# KiCad board mainboard_before_drastic.kicad_pcb (continued)
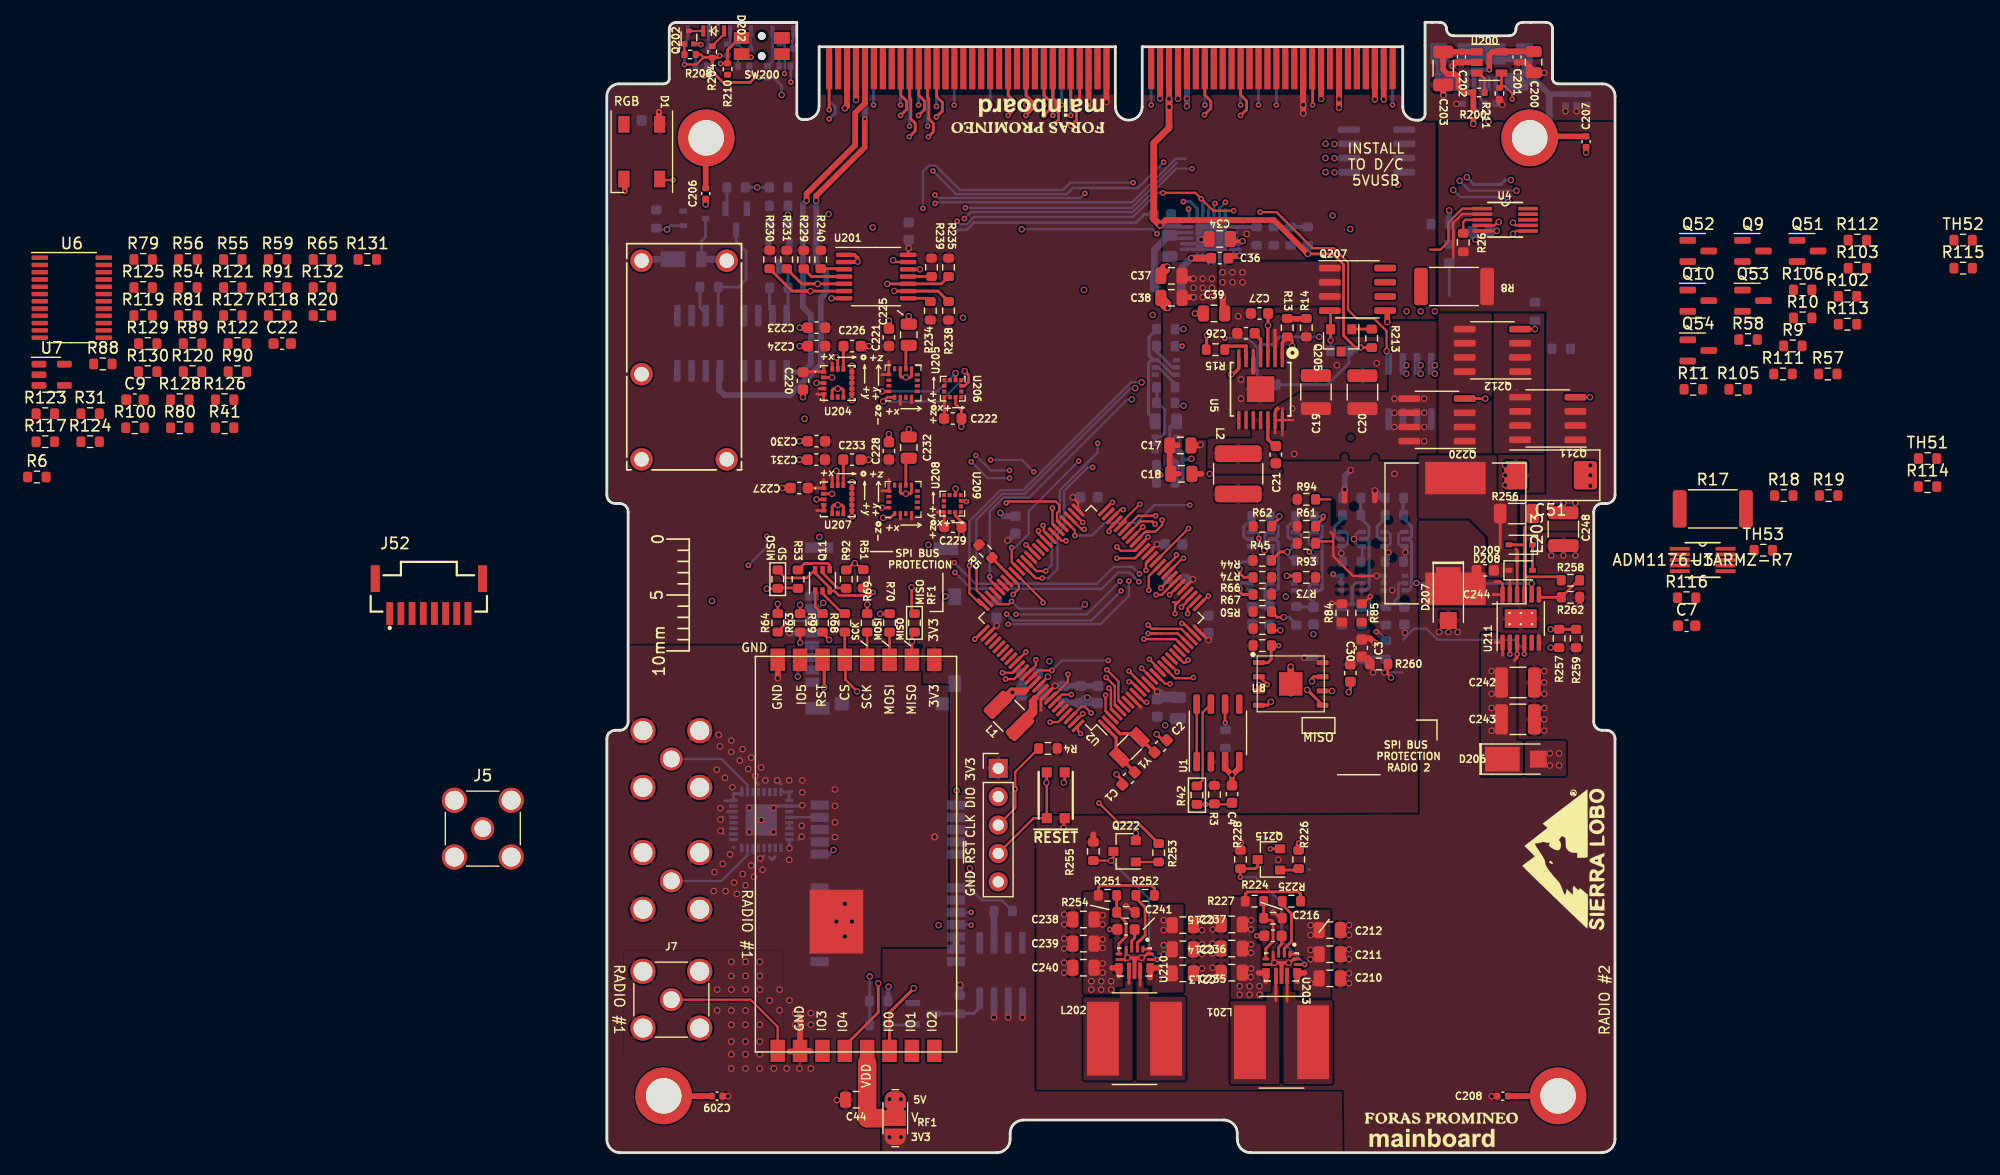
[diagram p0: board, top side]
## Routing (per net, layer and track width the routed paths; a pad name or vN(x,y) marks a point on that pad's centre or on a via; arc(x,y) is an arc through that point) (continued)
5V_USB: length 160.7
  Top w0.203: 7.8,98.27 R208.2 8.4,98.27 8.65,98.02 8.02,97.38 6.96,97.38 ; R204.1 9.92,97.99 10.1,98.17
  Top w0.235: v3(6.94,97.36) 6.96,97.38
  Top w0.254: R204.1 9.9,97.99 ; R204.1 9.42,96.74 10.39,95.77 12.8,95.77 13.25,96.22 v3(13.64,96.22) ; R204.1 9.4,98.02 8.65,98.02 ; R208.2 7.96,98.27 ; R213.2 v1(67.39,72.05) 66.95,72.05 65.89,73.11 65.89,79.48 64.94,80.43 v1(62.69,80.43) ; 9.42,96.96 9.42,97.18
  Top w0.272: 9.42,97.18 R204.1
  Top w0.508: 77.49,94.87 R200.1 ; R200.1 76.6,94.87 76.16,95.31 76.16,96.21 75.85,96.51 75.21,96.51 74.8,96.92 C203.1 ; R200.1 v1(77.49,92.8) v1(77.49,92.06) ; C203.1 74.81,98.51 U200.1 ; C203.1 74.8,97.6 ; v1(49.48,82.97) 49.96,83.45 59.67,83.45 v1(62.69,80.43) ; P1.70 v1(50.28,94.31)
  Top w0.61: v1(50.28,94.31) v1(50.28,93.57) 50.28,91.71 48.91,90.34 48.91,83.54 v1(49.48,82.97)
  In2.Cu w0.203: 30.84,84.47 30.79,84.42 30.79,82.61 v3(30.81,82.59)
  In2.Cu w0.254: 24.91,86.23 29.58,86.23 30.81,85 v3(30.81,82.59) ; 24.91,86.23 21.46,86.23 15.64,92.05 v1(15.64,94.65) ; 24.91,86.23 22.77,86.23
  In2.Cu w0.508: 77.68,90.08 77.68,91.88 v1(77.49,92.06) ; 77.68,90.08 77.55,90.21 76.53,90.21 ; 77.68,90.08 77.68,85 76.99,84.32 v1(75.34,84.32) 70.77,84.32 66.89,80.43 v1(62.69,80.43)
  Bottom w0.203: 13.92,96.22 14.37,96.22 R205.1 ; 13.92,96.22 13.72,96.22 ; 13.92,96.22 v3(13.64,96.22) ; R203.1 v3(10.1,98.17) 10.1,98.17
  Bottom w0.254: 6.96,97.38 R202.1 ; v1(15.64,94.65) 15.64,95.48 14.9,96.21 R205.1 ; 75.34,81.29 v1(75.34,84.32) ; R214.1 64.44,68.72 66.37,70.65 66.37,71.73 67.07,71.73 v1(67.39,72.05) ; C33.2 48.06,83.96 47.32,83.22 32.84,83.22 32.2,82.59 v3(30.81,82.59)
  Bottom w0.279: 51.01,83.02 51.2,82.83 U17.23
  Bottom w0.508: v1(75.34,84.32) 75.36,84.29 75.36,83.1
  Bottom w0.61: 48.9,83.96 48.9,83.63 49.51,83.02 51.08,83.02 ; R34.1 v1(62.69,80.43)
/Power/3V3_EN: length 15.8
  Top w0.279: 55.99,69.63 v1(55.83,69.63)
  Top w0.305: 55.99,69.63 56.52,70.16 U5.7
  In2.Cu w0.203: v1(55.83,69.63) 55.83,65.06 52.86,62.09 v1(52.29,62.09)
  Bottom w0.272: 51.51,62.01 51.51,62.65 51.4,62.76 Q2.6 ; 51.51,62.01 52.21,62.01 v1(52.29,62.09) ; 51.51,62.01 51.51,60.28 51.21,59.98 50.78,59.98
GND: length 164.1
  Top w0.203: v3(12.89,98.02) 12.34,98.02 SW200.2 ; 39.21,42.33 U2.90 38.61,41.75 v1(39.45,42.58) ; v3(50.33,49.93) 51.2,50.8 U2.31 ; U2.76 33.64,46.68 v3(32.91,45.95) ; U2.62 38.25,53.63 v3(37.48,54.39) ; U2.11 47.99,41.73 ; U2.11 48.03,41.75 v3(46.69,43.09) ; U2.11 47.12,42.65 ; v3(48.21,52.11) 48.21,52.74 U2.38 ; U4.4 79.39,82.98 79.7,83.29 v1(79.77,83.29) ; U2.50 45.17,58.19 v3(45.22,58.19)
  Top w0.235: 17.22,9.06 17.3,9.14 17.3,9.79 17.3,9.13 U23.2 ; 40.85,29.83 v1(40.85,29.06) ; SW1.B 40.95,33.19 ; 18.17,9.11 18.22,9.06 18.24,9.06
  Top w0.25: SW200.2 11.85,98.1
  Top w0.254: 8.33,99.19 8.3,99.22 Q202.2 ; 58.05,19.41 v3(58.12,19.41) C216.1 ; 21.91,67.23 v1(21.91,67.34) U204.9 U204.13 21.91,70.41 v1(21.92,70.41) ; 20.65,60.62 U207.15 20.65,60.87 v1(20.53,61) ; U208.9 27.24,59.08 27.13,58.97 v1(26.75,58.97) 26.37,58.97 26.24,59.09 U208.11 ; v1(47.83,17.44) v1(46.56,17.44) 46.4,17.28 45.8,17.28 ; U210.4 46.45,17.55 ; 46.97,17.44 47.2,17.22 ; 47.2,17.22 47.42,17.44 ; 47.2,17.22 U210.10 ; 47.96,17.44 48.3,17.78 48.6,17.78 ; C241.1 v3(44.97,19.98) ; 46.56,22.07 47.26,21.37 ; P1.67 49.48,94.43 ; v1(60.98,16.99) 60.56,16.99 60.34,16.77 ; v1(60.98,16.99) 61.1,16.99 61.45,17.34 U203.15 ; v1(60.98,16.99) v1(59.71,16.99) ; 31.71,66.08 31.71,66.45 31.19,66.97 U206.9 ; U209.9 31.15,57.03 31.71,56.46 31.71,55.97 ; v1(59.71,16.99) 60.12,16.99 60.34,16.77 ; v1(59.71,16.99) 59.55,16.84 U203.6 ; v1(59.71,16.99) 59.59,17.11 U203.4 ; v1(59.71,16.99) 59.96,16.99 ; 60.34,16.77 U203.10 ; v3(51.42,47.36) 51.59,47.36 U2.24 ; U207.8 21.15,57.81 21.01,57.95 v1(20.65,57.95) 20.29,57.95 20.15,57.81 U207.6 ; R262.2 v1(87.01,48.93) ; U204.15 20.65,71.03 v1(20.53,71.16) ; v1(21.92,60) 21.91,60 U207.9 v1(21.91,56.94) ; 60.4,20.8 59.7,21.5 v3(59.58,21.5) ; 27.24,70.15 27.24,69.5 27.13,69.38 v1(26.75,69.38) 26.37,69.38 26.24,69.5 26.24,70.15 ; U204.6 20.15,68.22 20.29,68.36 v1(20.65,68.36) 21.01,68.36 21.15,68.22 U204.8
  Top w0.272: v1(45.58,33.85) 46.1,33.33 46.1,32.93 ; v1(49.18,37.45) 49.7,36.92 50.09,36.92 ; U201.7 v1(20.1,76.45)
  Top w0.279: 66.5,42.13 66.5,41.36 v1(66.34,41.21) ; v1(59.39,40.35) 59.08,40.04 58.3,40.04 ; 20.4,28.24 v1(20.4,28.23)
  Top w0.338: U201.1 22.13,80.35 22.43,80.05 v1(22.43,79.73) 22.4,79.7 U201.2 22.02,79.7
  Top w0.406: 57.82,69.84 U5.5
  Top w0.508: C207.1 87.58,89.51 ; C227.2 v1(15.7,59.47) ; C232.2 v1(27,64.74) ; 31.7,65.68 31.7,64.96 ; U23.2 18.17,9.11 ; D1.3 1.6,87.05 v3(1.6,86.02) ; 8.84,84.87 C206.1 v1(8.84,84.85) ; 21.48,94.58 P1.5 21.48,93.65 v1(21.29,93.45) ; R228.2 v1(56.67,27.74) ; 17.22,9.06 16.33,9.06 ; v1(68.66,45.63) 68.66,45.63 68.28,46.01 67.44,46.01 67.38,45.95 ; 15.28,43.83 15.29,43.82 v1(15.29,42.46) ; C226.2 v1(23.45,72.17) ; 31.7,55.97 v1(31.7,55.28) ; v1(49.48,94.32) 49.48,94.33 P1.67 ; C221.2 v1(25.22,74.46) ; C4.1 v1(55.91,33.79) ; v1(55.91,33.79) 55.29,34.41 U1.3 ; v1(55.91,33.79) 56.56,34.44 ; P1.71 v1(51.08,94.32) ; 17.97,72.17 v1(17.24,72.17) ; C231.2 v1(17.22,62.01) ; C209.1 10.81,5.05 ; C228.2 v1(25.22,64.3) ; 17.97,63.67 v1(17.24,63.67) ; 43.51,28.49 R255.2 43.51,28.36 ; 51.16,60.74 C18.1 50.34,60.84 C17.1 51.06,63.28 ; C225.2 v1(27,74.84) ; C233.2 v1(23.43,62.01) ; C208.1 79.17,5.05 ; P1.115 v1(68.68,94.25) ; C220.2 17.54,67.67 ; P1.103 v1(63.88,94.3) ; 17.28,9.06 17.28,12.16 ; 17.97,73.83 v1(17.24,73.83)
  Top w0.61: 29.3,28.25 v1(29.31,28.26) ; 61.17,41.12 U8.9 v1(61.17,43.47)
  Bottom w0.203: 15.44,99.18 Q203.2 15.86,99.18 15.91,99.12 15.91,96.58 v3(15.89,96.56) ; Q201.2 12.26,98.64 12.26,98.23 12.47,98.02 v3(12.89,98.02)
  Bottom w0.235: U13.5 U13.6
  Bottom w0.254: 8.33,99.19 8.32,99.18 Q200.2 ; 49.5,96.56 49.5,94.47 ; 62.79,25.34 62.83,25.3
  Bottom w0.272: U13.25 11.92,32.12 11.35,32.12 11.32,32.08 U13.24 ; U13.25 12.07,32.68 ; U13.25 12.08,32.25 ; U13.8 16.31,28.01 16.31,27.17 16.2,27.27 ; 16.56,32.38 16.45,32.27 16.31,32.27 ; 14.57,26.42 14.78,26.2 15.07,26.49 ; U13.30 14.53,32.31 ; 14.07,26.55 13.72,26.2 13.57,26.35 ; 15.07,28.54 v1(14.91,28.69) ; U13.29 14.02,32.22 ; 13.57,32.96 13.39,33.14 ; U13.14 13.07,26.85 ; 16.31,32.27 U13.32 15.58,32.26 ; 16.31,32.27 16.31,31.53 U13.1 ; 11.32,27.33 11.35,27.3 ; U13.16 12,27.33 ; 15.07,31.02 U13.2 17.41,31.02 v1(17.47,31.08) ; 14.07,33.22 13.97,33.31 ; 15.07,33.14 v1(15.24,33.31) 15.57,32.99 ; 17.16,28.02 v1(17.42,28.29) ; 10.37,30.02 v1(10.16,29.81) ; U13.22 10.77,30.52 ; 10.43,28.52 v1(10.16,28.79) 10.39,29.02 ; 12.58,28.52 v1(12.75,28.69) ; U13.23 11.18,31.02 ; 12.58,31.02 v1(12.75,30.85) ; 11.28,31.49 10.59,31.49
  Bottom w0.279: U14.13 31.29,31.17 v1(31.29,32.4)
  Bottom w0.406: 25.16,13.58 25.16,14.81 v1(25.2,14.85)
  Bottom w0.508: 77.41,82.28 C32.1 77.41,81.97 v1(77.68,81.7) ; 68.68,94.88 P1.115 v1(68.68,94.25) ; 42.24,40.22 42.75,40.73 v1(42.98,40.73) 43.13,40.73 43.64,40.22 C253.2 ; v1(35.19,57.25) 35.5,56.95 36.53,56.95 36.53,56.93 ; v1(63.88,94.3) P1.103 ; P1.67 49.48,94.32 ; 21.48,94.86 P1.5 21.48,93.65 v1(21.29,93.45) ; P1.71 v1(51.08,94.32)
  vias: v1(9.4,49.36) v1(9.55,23.41) v1(9.62,25.11) v1(9.83,34.27) v1(10.01,37.38) v1(10.11,36.36) v1(10.16,30.83) v1(10.35,25.84) v1(10.56,33.54) v1(10.62,23.41) v1(10.84,5.05) v1(11.01,26.69) v1(11.13,36.87) v1(11.13,35.85) v1(11.22,32.7) v1(11.38,24.17) v1(11.64,23.15) v1(11.89,35.09) v1(12.14,36.11) v1(12.14,24.93) v1(12.4,23.91) v1(12.65,34.33) v1(12.91,35.34) v1(12.91,25.69) v1(13.16,24.68) v1(13.29,33.69) v1(13.79,34.46) v1(13.72,26.33) v1(13.82,29.77) v1(13.92,25.31) v1(14.18,33.31) v1(14.91,30.85) v1(16.31,33.31) v1(16.33,27.24) v1(16.31,26.2) v1(16.84,12.48) v1(16.84,11.44) v1(17.47,33.31) v1(17.47,32.25) v1(17.42,29.25) v1(17.54,67.6) v1(17.68,65.67) v1(19,55.09) v1(20.4,32.5) v1(20.4,31.03) v1(20.4,29.56) v1(20.58,4.71) v1(23.78,82.79) v1(28.76,54.39) v1(30.28,49.77) v1(31.7,64.96) v1(31.85,74.71) v1(39.58,43.98) v1(40.87,33.11) v1(40.91,21.31) v1(40.91,20.42) v1(40.91,19.15) v1(40.91,18.26) v1(40.91,16.99) v1(40.91,16.1) v1(42.67,77.2) v1(48.82,74.97) v1(49.94,38.24) v1(53.23,20.8) v1(53.23,19.91) v1(53.23,18.64) v1(53.23,17.75) v1(53.23,16.48) v1(53.23,15.6) v1(54.18,20.87) v1(54.18,19.98) v1(54.18,18.71) v1(54.18,17.82) v1(54.18,16.55) v1(54.18,15.66) v1(56.47,74.84) v1(56.72,69.19) v1(56.72,67.48) v1(57.23,82.21) v1(57.86,80.24) v1(60.05,26.21) v1(60.72,49.76) v1(63.2,46.39) v1(63.71,70.65) v1(64.28,90.27) v1(64.28,89) v1(64.28,87.73) v1(65.08,90.26) v1(65.08,88.99) v1(65.08,87.72) v1(65.29,70.46) v1(66.37,20.36) v1(66.37,19.47) v1(66.37,18.2) v1(66.37,17.31) v1(66.37,16.04) v1(66.37,15.15) v1(68.85,70.65) v1(70.25,50.33) v1(70.44,60.74) v1(70.75,86.61) v1(71.39,46.52) v1(74.44,46.58) v1(75.26,46.58) v1(76.09,46.58) v1(79.15,5.05) v1(80.34,61.51) v1(80.34,60.62) v1(80.34,59.73) v1(83.84,43.09) v1(83.84,42.08) v1(83.84,41.06) v1(83.84,39.79) v1(83.84,38.77) v1(83.84,37.76) v1(84.47,53.44) v1(85.55,53.44) v1(86.63,53.44) v1(87.58,89.48) v2(9.86,14.59) v2(9.86,12.72) v2(11.13,17.08) v2(11.13,15.81) v2(11.13,14.59) v2(11.13,12.72) v2(11.13,11.45) v2(11.13,9.94) v2(11.13,8.8) v2(11.13,7.53) v2(12.4,17.08) v2(12.4,15.81) v2(12.4,14.59) v2(12.4,12.72) v2(12.4,11.45) v2(12.4,9.94) v2(12.4,8.8) v2(12.4,7.53) v2(13.67,17.08) v2(13.67,15.81) v2(13.67,14.59) v2(13.67,11.45) v2(13.67,9.94) v2(13.67,8.8) v2(13.67,7.53) v2(14.56,13.63) v2(14.94,7.53) v2(15.45,14.59) v2(15.45,12.74) v2(16.08,7.53) v2(16.33,13.63) v2(17.22,7.53) v2(18.24,12.48) v2(18.24,11.45) v2(18.24,7.53) v2(20.53,20.68) v2(21.29,22.26) v2(21.29,19.34) v2(21.92,20.68) v3(8.4,99.16) v3(46.43,22.07)
GNDREF: length 11.7
  Top w0.508: v1(80.09,93.76) 79.83,94.02 R211.2 ; v3(75.62,97.24) 75.94,97.56 C202.2 76.43,97.56 U200.2 ; v1(83.84,96.62) 82.89,96.62 C200.2 ; C201.2 82.13,97.56 82.7,96.99 82.72,97 ; C203.2 74.8,94.7 ; 79.96,93.92 80.03,93.85
  Bottom w0.338: 80.03,93.85 80.03,94.21 79.51,94.73 J200.5
  Bottom w0.508: v1(80.09,93.76) 80,93.85 Z200.2 80.03,93.85 ; Z201.2 76.02,93.85 ; C205.2 v1(87.72,93.19) ; R201.2 v1(85.74,93.2) ; C204.2 v1(86.73,93.19)
  vias: v1(74.82,94.59) v1(76,93.85)
VBATT: length 70.8
  Top w0.508: 62.28,94.44 P1.99 62.28,93.56 62.28,93.56 ; v1(62.28,93) v1(62.28,93.76)
  In2.Cu w0.203: 55.64,90.24 58.76,90.24 v1(62.28,93.76) ; v3(8.71,96.37) 9.37,96.37 20.41,85.33 28.96,85.33 v3(29.35,84.94)
  Bottom w0.203: 69.67,45.99 69.04,46.62 v3(68.82,46.62) ; 8.94,96.58 R206.2 8.94,96.6 v3(8.71,96.37) ; 51.01,88.94 51.77,88.94 50.88,88.94 46.98,85.04 29.46,85.04 v3(29.35,84.94)
  Bottom w0.508: 62.28,94.32 62.28,94.32 ; 62.28,94.32 62.28,93.56 ; 62.28,94.32 62.28,94.32 ; 62.28,94.32 P1.99 ; 62.28,94.32 62.28,94.22 ; v1(62.28,93) v1(62.28,93.76)
VBATT_RET: length 24.2
  Top w0.508: 49.87,78.72 50.12,78.97 ; v1(65.48,93.51) v1(65.48,94.27) P1.107 ; 49.8,75.73 50.18,75.73 50.18,76.05 49.67,76.56 49.55,76.56 49.55,75.98 49.8,75.73 ; 49.8,75.73 49.86,75.73 ; 49.8,75.73 49.93,75.6 v1(50.18,75.6) 50.18,75.86 C38.1 ; 50.12,79.03 v1(50.12,79.29) 49.8,79.29 49.55,79.03 C37.1 49.55,78.46 ; 53.52,75.1 52.68,75.1
  Top w0.61: 54.03,81.7 v2(53.14,81.7)
  In2.Cu w0.203: v1(65.48,94.27) 65.1,94.27 63.45,92.62 ; 63.45,92.62 61.07,90.24 60.59,90.24 ; 63.45,92.62 63.2,92.37
  Bottom w0.272: U17.19 51.91,80.83 51.89,80.81
  Bottom w0.279: 50.32,80.56 50.83,80.56
  Bottom w0.3: 51.39,80.84 52.77,80.84 ; 51.39,81.33 52.77,81.33
  Bottom w0.508: P1.107 v1(65.48,94.27) v1(65.48,93.51)
  vias: v1(52.59,75.1)
VBUS: length 153.4
  Top w0.203: U5.14 61.39,65.55 ; U5.14 60.42,64.16 ; U5.14 U5.13 ; U5.14 60.42,66.6 ; 60.1,66.59 59.77,66.26 U5.13 ; U5.13 59.77,66.46 60,66.69 ; U5.13 59.77,64.38
  Top w0.254: U203.1 61.88,17.76 ; U210.1 48.6,18.21 ; Q215.2 v3(59.33,27.19)
  Top w0.508: 62.39,16.09 U203.12 61.74,15.34 ; 48.6,15.66 U210.12 49.27,16.53 ; Q222.2 v1(47.31,28.6)
  In2.Cu w0.203: v3(49.53,60.63) 49.53,60.71 49.56,60.74 ; v1(51.58,73.7) 52.47,72.81 52.47,71.6 51.58,70.71 v1(51.58,66.84) 51.58,62.06 52.89,60.74 v1(53.93,60.74) 60.66,60.74 61.48,61.57 v1(61.48,62.52)
  In2.Cu w0.61: v1(19.83,83.99) 17.99,83.99 14.63,87.35 9.02,87.35 ; 9.02,87.35 3.1,81.44 ; 9.02,87.35 8.48,86.82 ; 8.48,86.82 8.83,87.16 ; 8.48,86.82 3.1,81.44 ; 3.1,81.44 U16.1 1.64,78.36 1.64,63.5 U16.14
  In3.Cu w0.508: 51.6,73.72 v1(51.58,73.7)
  In4.Cu w0.203: v3(49.53,60.63) 49.64,60.74 v1(53.93,60.74)
  In4.Cu w0.61: 55.58,66.84 55.01,67.41 ; 55.01,67.41 48.72,73.7 ; 55.01,67.41 55.83,66.59 v1(61.29,66.59) ; 48.72,73.7 v1(51.58,73.7) ; 48.72,73.7 40.52,81.9 21.91,81.9 v1(19.83,83.99)
  Bottom w0.272: 49.2,61.51 49.2,59.98
  Bottom w0.305: 50.78,73.7 v1(51.58,73.7) ; v3(49.53,60.63) 49.36,60.46 49.2,60.46 ; v3(49.53,60.63) 49.53,60.64 49.2,60.96 ; v3(49.53,60.63) 49.36,60.63 49.2,60.78 ; 50.78,66.84 v1(51.58,66.84) ; R29.1 R47.1
  Bottom w0.61: U16.1 3.23,79.95 D4.C
  vias: v1(49.8,20.8) v1(49.8,19.91) v1(49.8,18.58) v1(49.8,17.75) v1(49.8,15.6) v1(62.94,20.36) v1(62.94,19.47) v1(62.94,18.14) v1(62.92,17.3) v1(62.94,15.15) v1(70.44,67.48) v1(70.44,66.21) v1(70.44,64.94) v1(73.1,67.48) v1(73.1,66.21) v1(73.1,64.94) v1(73.1,63.67)
VBUS_INHIBIT: length 7.3
  Top w0.203: 75.71,82.52 75.71,81.32 ; 75.71,82.52 75.71,83.2 76.48,83.98 U4.2 ; 75.71,82.52 75.71,80.05
  vias: v1(84.47,58.14) v1(85.55,58.14) v1(86.63,58.14)
VBUS_RESET: length 28.9
  Top w0.203: U2.54 41.86,55.68 v3(41.86,55.22)
  In2.Cu w0.203: v3(52.14,57.95) 52.14,61.03 50.7,62.47 50.7,71.42 v3(51.45,72.17) 51.45,71.98
  Bottom w0.203: v3(52.14,57.95) 48.97,57.95 47.35,56.33 44.5,56.33 43.39,55.22 v3(41.86,55.22) ; R52.2 v3(51.45,72.17)
VBUS_USB: length 45
  Top w0.203: v1(69.74,71.73) 69.74,73.52 68.61,74.65 67.07,74.65 66.3,75.43 66.3,79.64 65,80.94 63.12,80.94 61.92,82.14 ; 61.92,82.14 59.9,84.16 v3(58.42,84.16) ; 61.92,82.14 61.93,82.14
  Top w0.508: v1(52.47,78.21) 51.68,78.21 51.62,78.14 ; 51.67,76.56 52.47,76.56 v1(52.48,76.54)
  In2.Cu w0.203: v1(69.74,71.73) 71.64,73.63 78.06,73.63 79.2,72.49 87.07,72.49 ; v3(58.42,84.16) 56.06,86.53
  Bottom w0.279: U17.16 53.8,79.8
  Bottom w0.3: U17.16 53.8,79.54 ; U17.15 54.3,79.54
  vias: v1(52.47,77.38) v1(53.29,78.21) v1(53.29,77.38) v1(53.29,76.56) v1(54.12,78.21) v1(54.12,77.38) v1(54.12,76.56) v1(71.53,75.29) v1(71.52,70.46) v1(71.52,69.7) v1(72.79,75.29) v1(72.79,70.46) v1(72.79,69.7) v1(74.06,75.29)
VCC_MHX: length 13.6
  Top w0.254: 62.05,22.2 62.05,23.15 61.86,23.34 57.29,23.34 57.1,23.15 57.1,22.2
  Top w0.508: 58.29,16.09 U203.7 58.94,15.37
  Bottom w0.508: 51.88,93.75 v1(51.88,94.32) 51.88,94.64 ; 51.88,94.64 P1.73 51.88,94.41 ; 51.88,94.64 51.88,94.43
  vias: v1(25.28,4.79) v1(26.3,4.79) v1(51.88,93.64) v1(56.59,14.9) v1(56.59,14.14) v1(57.48,14.9) v1(57.48,14.14) v1(57.58,15.71) v1(57.61,20.8) v1(57.61,19.98) v1(57.61,18.64) v1(57.61,17.88) v1(57.61,16.48) v1(58.37,14.9) v1(58.37,14.14)
VCC_PAYLOAD: length 14.7
  Top w0.254: 43.96,22.77 43.96,23.72 44.15,23.91 48.72,23.91 48.97,23.66 48.97,22.77
  Top w0.508: 45.18,16.53 U210.7 45.8,15.85 ; v1(43.07,93.38) v1(43.07,94.08) 43.08,94.1 P1.59
  Bottom w0.508: P1.59 43.07,96.55 v1(43.07,93.38)
  vias: v1(43.32,15.34) v1(43.32,14.58) v1(44.21,15.34) v1(44.21,14.58) v1(44.34,21.25) v1(44.34,20.42) v1(44.34,19.09) v1(44.34,18.33) v1(44.34,16.93) v1(44.34,16.1) v1(45.1,15.34) v1(45.1,14.58)
(no net): length 0.1
  Bottom w0.235: 29.71,20.4 v1(29.67,20.36)
/Avionics/BATTERY: length 38.5
  Top w0.203: v3(51.98,44.09) 51.73,43.84 51.58,43.84 U2.19
  Top w0.254: C3.1 68.12,44.39 68.53,43.98 68.53,42.84
  In2.Cu w0.203: 57.04,39.47 60.28,36.23 68.53,36.23 68.98,36.68 68.98,37.44 68.53,37.88 68.53,45.89 ; 57.04,39.47 56.78,39.73 ; 57.04,39.47 52.42,44.09 v3(51.98,44.09)
  Bottom w0.254: 68.53,43.47 68.53,42.84 ; 68.53,43.47 68.53,44.04 ; 68.53,43.47 68.53,44.32 68.51,44.34 ; 68.51,44.34 69.67,44.34 69.67,44.34 ; 68.51,44.34 67.52,44.34
  Bottom w0.279: 69.67,44.36 69.51,44.19
  vias: v1(68.53,42.96)
/Avionics/XTAL1: length 5.8
  Top w0.254: 45.55,35.71 Y1.1
  Top w0.3: 47.21,34.05 45.87,35.39 Y1.1 45.55,35.71 45.55,37.13 44.44,38.24
/Avionics/XTAL2: length 5.3
  Top w0.3: 48.97,35.81 47.63,37.15 Y1.2 47.3,37.49 45.89,37.49 44.79,38.59
/Burn Wires/VBURN_A_IN: length 7.2
  Bottom w0.254: 8.32,76.28 R37.2 8.32,75.64 8.77,75.2 ; 14.96,75.1 14.56,75.5 R38.2 14.56,76.26
/IMU/SCL_IMU1: length 38.1
  Top w0.254: v1(18.21,77.1) 16.94,77.1 ; v1(18.21,77.1) 16.56,77.1 R230.2 ; v1(18.21,77.1) U201.6 ; 19.39,69.37 v1(20.14,69.37) ; v1(24.72,67.22) 25.09,67.6 U205.1 ; U206.12 32,68.61 32.36,68.98 32.36,69.58 v1(32.01,69.94)
  In2.Cu w0.203: v1(24.72,67.22) 22.57,69.37 v1(20.14,69.37) 18.94,68.17 18.37,68.17 18.21,68.33 v1(18.21,77.1)
  Bottom w0.203: v1(32.01,69.94) 32.01,69.37 29.86,67.22 v1(24.72,67.22)
/IMU/SCL_IMU2: length 58.3
  Top w0.254: v1(24.72,56.81) 25.37,56.81 U208.1 ; 31.7,58.33 32.11,58.33 v3(32.17,58.27) ; v1(20.14,58.96) 19.39,58.96 ; v1(25.08,77.75) U201.10 26.95,77.74 29.9,77.74 R235.2
  In2.Cu w0.203: v3(32.17,58.27) 30.71,56.81 v1(24.72,56.81) 22.57,58.96 v1(20.14,58.96) 18.11,56.93 16.08,56.93 14.94,58.08 14.94,76.24 17.86,79.16 20.53,79.16 21.94,77.75 v1(25.08,77.75)
/IMU/SDA_IMU1: length 31.2
  Top w0.254: 18.13,77.75 17.68,77.75 ; 18.13,77.75 v1(18.86,77.75) U201.5 ; 18.13,77.75 17.43,77.75 R231.2 ; 19.39,68.87 v1(18.75,68.87) ; U205.16 v1(24.6,68.12) ; U206.2 v1(31.19,69.76)
  In2.Cu w0.203: v1(24.6,68.12) 22.83,69.89 19.77,69.89 v1(18.75,68.87) 18.75,77.64 v1(18.86,77.75)
  Bottom w0.203: v1(24.6,68.12) 29.55,68.12 v1(31.19,69.76)
/IMU/SDA_IMU2: length 54.2
  Top w0.254: R238.2 29.62,77.1 U201.9 v1(25.7,77.1) ; v1(24.6,57.71) U208.16 ; 31.19,58.84 31.19,59.34 ; v1(18.75,58.46) 19.39,58.46
  In2.Cu w0.203: v1(24.6,57.71) 23.02,59.29 ; v1(24.6,57.71) 29.49,57.71 v1(31.19,59.41) ; v1(24.6,57.71) 22.83,59.48 19.77,59.48 v1(18.75,58.46) 17.48,58.46 16.46,59.47 16.46,76.75 18.37,78.65 20.02,78.65 21.57,77.1 v1(25.7,77.1)
/RF and GPS/RF_IN: length 2.7
  Bottom w0.203: U13.4 19.01,30.02
  Bottom w0.293: 19.01,30.02 U14.11
/SLI_Card/Blank-Card-Default/YEL_LED: length 0.8
  In2.Cu w0.203: v3(12.75,96.53) 12.75,96.39
  Bottom w0.203: v3(12.75,96.53) R207.2
/SLI_Card/Blank-Card-Default/~{USB_EN}: length 9.9
  Top w0.203: 79.96,95.42 80.34,95.42 80.98,94.78 v3(80.98,94.27)
  Top w0.254: U200.4 80.02,95.47 79.96,95.42
  In2.Cu w0.203: v3(80.98,94.27) 80.98,93.89 79.45,92.37 79.45,88.05
/SLI_Card/CHS: length 51.3
  Top w0.508: H202.1 85.05,5.05 C208.2 ; C206.2 8.84,90.77 H200.1 8.85,90.84 ; C207.2 82.67,90.94 H201.1 ; H203.1 5.11,5.05 C209.2
  Bottom w0.508: J200.6 82.06,97.9 82.42,97.54 82.42,96.89 J200.6 ; J200.6 J200.6 ; J200.6 82.06,96.53 J200.6 ; J200.6 83.18,95.83 84.29,94.72 R201.1 87.71,94.72 C205.1 ; J200.6 81.46,95.73 ; 77.66,97.92 78.68,97.92 ; 78.68,98.81 77.79,98.81 ; J200.6 74.41,96.53 J200.6 75.11,96.47 ; J200.6 74.58,98.33 75.06,97.85 ; 80.33,97.85 81.34,97.85 ; J200.6 76.49,98.33
  Bottom w0.61: 84.29,94.72 84.29,92.56 H201.1
/SLI_Card/H1-38: length 0
  Top w0.254: 55.09,96.56 P1.82
/SLI_Card/H1-42: length 0
  Top w0.254: 58.3,96.55 P1.90
/SLI_Card/Payload_Regulator/EN: length 14.1
  Top w0.203: 43.51,26.14 v1(45.1,26.14) 45.31,26.34 Q222.3 ; 48.6,17.28 v3(49.23,17.28)
  Bottom w0.203: v1(45.1,26.14) 48.49,22.75 48.49,18.69 ; 48.49,18.69 48.49,18.25 ; 48.49,18.69 48.49,18.02 v3(49.23,17.28)
/SLI_Card/RBF: length 80.4
  In2.Cu w0.203: v1(63.71,73) 66.75,76.05 76.72,76.05 79.72,73.05 85.31,73.05 ; v3(49.19,82.23) 50.7,80.72 50.7,75.33 53.42,72.61 54.99,72.61 v3(55.26,72.87) ; v1(37.1,82.63) 37.1,87.23 34.28,90.05 v3(34.28,93.75) 34.28,91.19
  Bottom w0.203: 49.09,82.33 v3(49.19,82.23) 48.79,82.63 v1(37.1,82.63) ; v3(55.26,72.87) 57.33,72.87 58.17,72.03 ; R249.2 84.53,72.28
  Bottom w0.254: v3(34.28,93.75) 34.28,96.55 ; 58.22,68.72 58.17,68.77 58.17,72.03 58.44,72.3 59.49,72.3 60.19,73 v1(63.71,73)
/SLI_Card/RF_Regulator/EN: length 14.9
  Top w0.254: 56.67,24.52 v3(56.67,24.65) R228.1 58,25.41 58.21,25.62 Q215.3 ; 62.47,16.84 U203.14
  Bottom w0.203: v3(62.41,16.84) 62.41,16.92 60.35,18.98 60.35,22.35 58.04,24.65 v3(56.67,24.65)
/SLI_Card/SEP1: length 62.4
  In2.Cu w0.203: 55.51,87.99 57.44,87.99 62.78,82.65 v1(66.5,82.65) ; 55.51,87.99 53.67,87.99 ; 55.51,87.99 52.4,87.99 v3(52.34,88.05) ; v3(31.98,83.58) 31.57,83.99 31.57,85.26 29.8,87.03 23.7,87.03 19.89,90.84 v3(19.89,92.49)
  Bottom w0.203: v3(52.34,88.05) 50.92,88.05 47.05,84.18 32.58,84.18 v3(31.98,83.58)
  Bottom w0.254: v3(19.89,92.49) 20.42,93.02 20.42,93.58 19.88,94.12 P1.1
/SLI_Card/SEP2: length 41.3
  Top w0.254: P1.2 v3(19.88,93.33)
  In2.Cu w0.203: v3(32.06,84.56) 32.06,85.49 30.19,87.36 23.88,87.36 20.59,90.65 20.59,92.62 v3(19.88,93.33)
  Bottom w0.203: 50.96,88.56 46.95,84.54 32.44,84.54 32.42,84.56 v3(32.06,84.56)
/SLI_Card/SEP3: length 47.7
  Top w0.203: 83.16,73.7 v1(83.01,73.7) 81.67,73.7
  In2.Cu w0.203: v3(70.27,93.75) 70.27,90.75 71.14,89.89 ; v1(83.01,73.7) 86.63,73.7 87.52,74.59 87.52,84.86 86.3,86.08 v1(81.36,86.08) ; 71.14,89.89 74.44,89.89 76.28,88.05 v1(76.28,86.97) ; 71.14,89.89 70.28,90.74
  Bottom w0.203: R221.2 v1(83.01,73.7) ; v1(81.36,86.08) 77.17,86.08 v1(76.28,86.97)
  Bottom w0.254: v3(70.27,93.75) 70.27,96.55 ; 70.28,94.5 70.28,94.25 ; 70.28,94.5 70.28,93.87 ; 70.28,94.5 P1.119
/SLI_Card/Sep_Sw_Vcc: length 44
  In2.Cu w0.203: 61.77,84.97 62.88,83.86 v1(64.91,83.86) 68.6,83.86 69.58,84.84 ; 61.77,84.97 62.12,84.62 ; 61.77,84.97 59.81,86.93 59.81,88.75 ; v1(75.71,86.14) 74.44,86.14 73.61,85.32 70.06,85.32 69.58,84.84 ; v1(80.6,85.06) 86.5,85.06 87.02,84.54 87.02,77.58 86.25,76.81 83.01,76.81 ; 69.36,84.62 69.58,84.84
  Bottom w0.203: v1(75.71,86.14) 76.34,85.51 80.15,85.51 v1(80.6,85.06)
/SLI_Card/~{USB_FLAG}: length 2.2
  Top w0.203: R200.2 78.51,94.84
  Top w0.254: R200.2 78.51,96.11 78.01,96.61 U200.3
AIN4: length 68.2
  Top w0.203: v3(44.66,42.52) 45.43,41.74 45.43,40.09 U2.5
  In2.Cu w0.203: v3(44.66,42.52) 43,44.17 43,47.07 39.62,50.46 38.62,50.46 34.95,54.13 34.95,56.11 36.2,57.35 36.2,58.93 35.16,59.97 35.16,80.28 34.95,80.48 ; v3(28.69,91.86) 28.27,91.44 28.27,90.68 28.64,90.31 31.5,90.31 34.95,86.85 34.95,80.48 ; 35.14,80.29 34.95,80.48
  Bottom w0.254: 28.7,94.47 28.7,91.85 ; 28.7,94.47 28.7,96.56 ; 28.7,94.47 28.7,94.67
AIN10: length 69.4
  Top w0.203: U2.3 44.6,39.5 v3(44.6,40.93)
  In2.Cu w0.203: 35.26,52.81 33.71,54.36 33.71,61.15 33.48,61.38 33.48,86.02 30.51,88.99 27.14,88.99 26.56,89.57 26.56,90.34 ; 35.26,52.81 34.88,53.19 ; 35.26,52.81 38.37,49.7 39.45,49.7 41.55,47.59 41.55,43.99 v3(44.6,40.93) ; 26.56,90.34 26.56,89.85 ; 26.56,90.34 26.56,91.35 v3(27.07,91.86)
  Bottom w0.254: 27.08,94.47 27.08,91.85 ; 27.08,94.47 27.08,94.67 ; 27.08,94.47 P1.19
AIN11: length 69.2
  Top w0.203: U2.4 45.09,39.72 45.09,40.09 ; 45.09,40.09 45.09,41.33 ; 45.09,40.09 45.09,41.39 v3(44.91,41.57) ; 27.08,90.88 v3(27.05,90.91)
  Top w0.254: v3(27.05,90.91) 27.59,91.45 27.59,92.1 27.18,92.51 27.18,94.31 27.08,94.41 P1.20
  In2.Cu w0.203: v3(27.05,90.91) 27.05,89.76 27.49,89.32 30.75,89.32 33.86,86.21 33.86,62.24 33.85,62.22 33.85,61.48 34.04,61.29 34.04,54.53 38.48,50.09 39.52,50.09 42.18,47.43 42.18,44.23 44.85,41.57 v3(44.91,41.57)
BATT_NTC: length 151.1
  Top w0.272: 82.71,50.99 v1(82.71,50.92) U211.8
  In2.Cu w0.203: v1(76.91,87.29) 76.91,85.7 76.09,84.87 70.31,84.87 68.72,83.29 62.64,83.29 57.56,88.37 53.99,88.37 53.74,88.62 53.23,88.62 ; v3(29.16,87.85) 25.17,87.85 23.85,89.17 v3(23.85,93.75) ; 72.53,55.85 72.41,55.73 v1(72.41,50.97) ; v3(49.8,88.62) 53.23,88.62 ; 53.23,88.62 53.42,88.62
  In2.Cu w0.254: v1(80.85,87.03) 86.88,87.03 88.34,85.57 88.34,72.56 87.71,71.92 78.82,71.92 77.8,72.94 72.09,72.94 66.56,67.41 66.56,65.32 72.72,59.16 72.72,56.05 72.53,55.85
  Bottom w0.203: v3(29.16,87.85) 31.24,85.76 41.13,85.76 41.68,86.32 47.5,86.32 v3(49.8,88.62)
  Bottom w0.254: v3(23.85,93.75) 23.85,96.55 ; v1(80.85,87.03) 80.34,87.03 79.96,86.65 ; v1(82.71,50.92) 72.51,50.92 ; 79.96,86.65 77.8,86.65 ; 79.96,86.65 77.55,86.65 v1(76.91,87.29)
  Bottom w0.508: P1.11 23.88,96.25 23.89,96.24
BP_LED_LATCH: length 61.4
  Top w0.203: v3(52.02,55.85) 49.09,52.93 U2.37
  Top w0.254: v3(63.12,93.75) 63.12,96.55
  In2.Cu w0.203: 46.12,85.45 46.12,66.59 51.65,61.05 51.65,56.22 v3(52.02,55.85) ; 46.12,85.45 46.12,86.84 50.24,90.97 58.05,90.97 61.48,94.4 62.47,94.4 v3(63.12,93.75) ; 46.12,85.45 46.12,86.02
BURN_RELAY_A: length 84.8
  Top w0.203: U2.84 36.52,43.85 v3(37.48,44.81)
  In2.Cu w0.203: v3(37.48,44.81) 37.48,43.49 36.11,42.12 ; 8.89,82.6 v1(5.37,82.6) 11.37,82.6 12.14,81.83 12.14,42.46 13.6,41 17.54,41 18.87,42.33 19.51,42.33 21.99,39.85 33.84,39.85 36.11,42.12 ; 36.11,42.12 36.46,42.47
  Bottom w0.254: R25.1 4.55,82.6 v1(5.37,82.6) 5.73,82.95 Q6.1
CTS_MCU_3: length 52.6
  Top w0.203: v3(49.09,57) 47.52,57 U2.45
  Top w0.254: P1.78 53.48,94.64 54.02,94.11 54.02,93.43 v3(53.44,92.86)
  In2.Cu w0.203: 47.32,91.03 48.91,92.62 53.2,92.62 v3(53.44,92.86) ; 47.32,91.03 43.83,87.54 43.83,66.27 48.4,61.7 48.4,60.43 49.09,59.74 v3(49.09,57) ; 47.32,91.03 46.94,90.65
CTS_MCU_4: length 47.4